# KiCad board Eclipse60.kicad_pcb (continued)
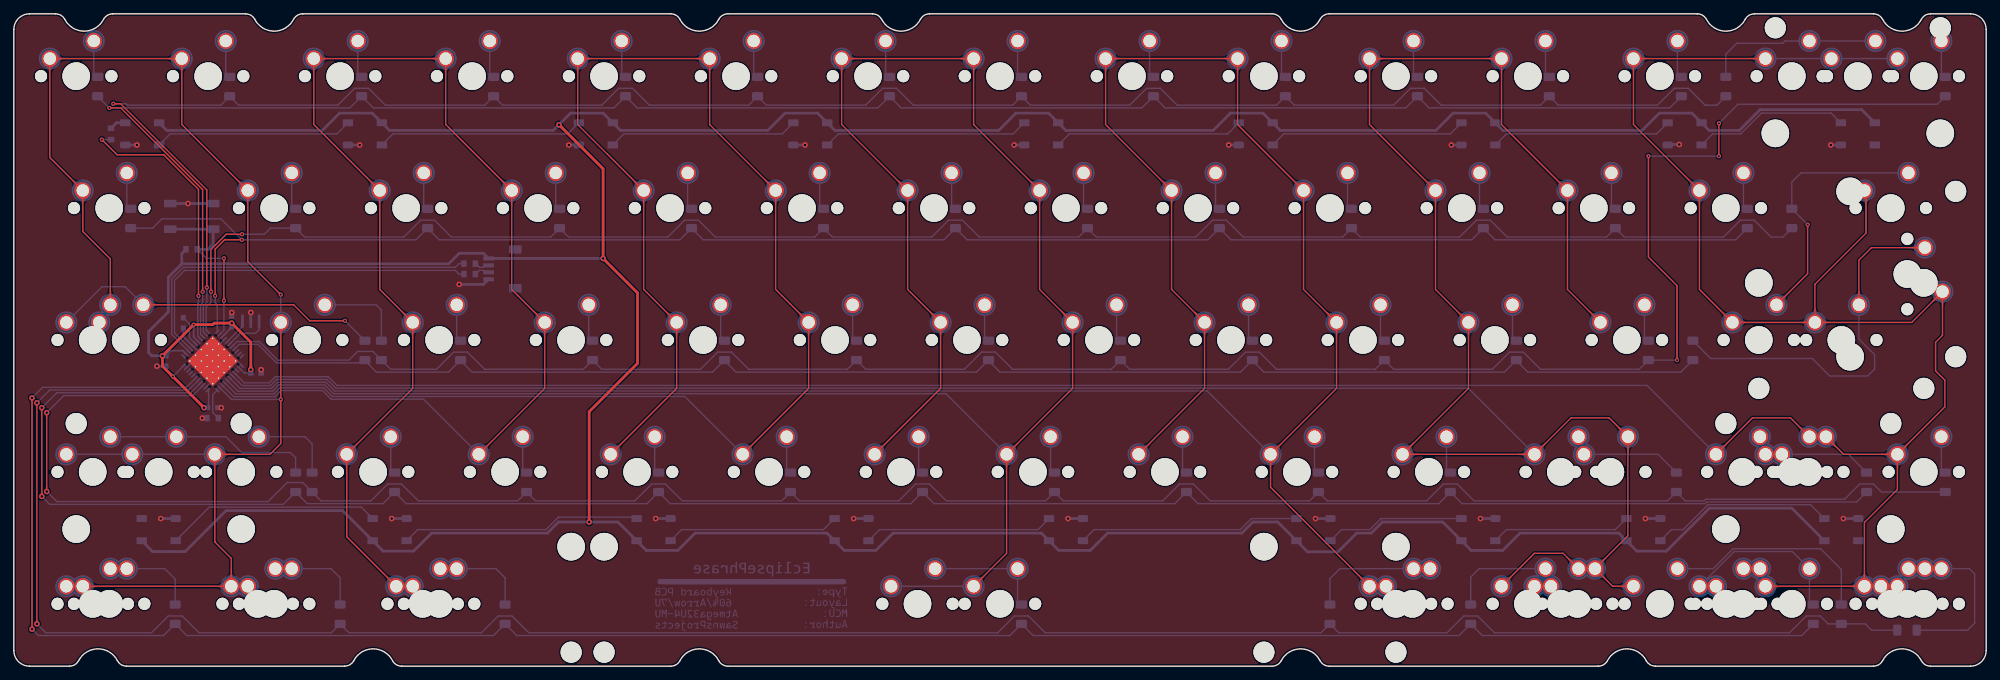
[diagram p0: board, top side]
## Copper pours and planes (outline as drawn; the poured copper is in the pictures) (continued)
C4 on Top: 157.69,85.35 157.69,85.45 157.7,85.55 157.71,85.64 157.72,85.72 157.73,85.8 157.75,85.87 157.77,85.94 157.8,86 157.82,86.06 157.85,86.11 157.88,86.17 157.92,86.22 157.95,86.27 157.99,86.32 158.37,86.74 158.41,86.8 158.46,86.86 158.5,86.92 158.54,86.99 158.59,87.06 158.63,87.14 158.67,87.22 157.59,88.34 156.51,87.22 156.55,87.14 156.59,87.06 156.64,86.99 156.68,86.92 156.72,86.86 156.77,86.8 156.81,86.74 157.19,86.32 157.23,86.27 157.26,86.22 157.3,86.17 157.33,86.11 157.36,86.06 157.38,86 157.41,85.94 157.43,85.87 157.45,85.8 157.46,85.72 157.47,85.64 157.48,85.55 157.49,85.45 157.49,85.35
C4 on Top: 165.35,70.31 165.43,70.24 165.49,70.16 165.54,70.1 165.59,70.03 165.64,69.96 165.68,69.9 165.71,69.84 165.74,69.77 165.76,69.71 165.78,69.65 165.8,69.59 165.81,69.53 165.82,69.47 165.83,69.42 165.86,68.85 165.87,68.77 165.88,68.7 165.89,68.63 165.91,68.55 165.93,68.47 165.95,68.38 165.98,68.3 167.54,68.27 167.51,69.82 167.42,69.85 167.34,69.88 167.26,69.9 167.18,69.91 167.1,69.93 167.03,69.94 166.96,69.94 166.39,69.98 166.33,69.99 166.27,70 166.21,70.01 166.15,70.03 166.09,70.04 166.03,70.07 165.97,70.1 165.91,70.13 165.84,70.17 165.78,70.21 165.71,70.26 165.64,70.32 165.57,70.38 165.5,70.45
C4 on Top: 176.74,85.35 176.74,85.45 176.75,85.55 176.76,85.64 176.77,85.72 176.78,85.8 176.8,85.87 176.82,85.94 176.85,86 176.87,86.06 176.9,86.11 176.93,86.17 176.97,86.22 177,86.27 177.04,86.32 177.42,86.74 177.46,86.8 177.51,86.86 177.55,86.92 177.59,86.99 177.64,87.06 177.68,87.14 177.72,87.22 176.64,88.34 175.56,87.22 175.6,87.14 175.64,87.06 175.69,86.99 175.73,86.92 175.77,86.86 175.82,86.8 175.86,86.74 176.24,86.32 176.28,86.27 176.31,86.22 176.35,86.17 176.38,86.11 176.41,86.06 176.43,86 176.46,85.94 176.48,85.87 176.5,85.8 176.51,85.72 176.52,85.64 176.53,85.55 176.54,85.45 176.54,85.35
C4 on Top: 184.4,70.31 184.48,70.24 184.54,70.16 184.59,70.1 184.64,70.03 184.69,69.96 184.73,69.9 184.76,69.84 184.79,69.77 184.81,69.71 184.83,69.65 184.85,69.59 184.86,69.53 184.87,69.47 184.88,69.42 184.91,68.85 184.92,68.77 184.93,68.7 184.94,68.63 184.96,68.55 184.98,68.47 185,68.38 185.03,68.3 186.59,68.27 186.56,69.82 186.47,69.85 186.39,69.88 186.31,69.9 186.23,69.91 186.15,69.93 186.08,69.94 186.01,69.94 185.44,69.98 185.38,69.99 185.32,70 185.26,70.01 185.2,70.03 185.14,70.04 185.08,70.07 185.02,70.1 184.96,70.13 184.89,70.17 184.83,70.21 184.76,70.26 184.69,70.32 184.62,70.38 184.55,70.45
C4 on Top: 186.27,66.3 186.27,66.4 186.27,66.5 186.28,66.59 186.29,66.67 186.31,66.75 186.33,66.82 186.35,66.89 186.37,66.95 186.4,67.01 186.43,67.06 186.46,67.12 186.49,67.17 186.53,67.22 186.56,67.27 186.94,67.69 186.99,67.75 187.03,67.81 187.07,67.87 187.12,67.94 187.16,68.01 187.2,68.09 187.25,68.17 186.17,69.29 185.09,68.17 185.13,68.09 185.17,68.01 185.21,67.94 185.26,67.87 185.3,67.81 185.34,67.75 185.39,67.69 185.77,67.27 185.8,67.22 185.84,67.17 185.87,67.12 185.9,67.06 185.93,67.01 185.96,66.95 185.98,66.89 186,66.82 186.02,66.75 186.04,66.67 186.05,66.59 186.06,66.5 186.06,66.4 186.07,66.3
C4 on Top: 189.17,51.26 189.24,51.19 189.3,51.11 189.36,51.05 189.41,50.98 189.45,50.91 189.49,50.85 189.52,50.79 189.55,50.72 189.57,50.66 189.59,50.6 189.61,50.54 189.62,50.48 189.63,50.42 189.64,50.37 189.67,49.8 189.68,49.72 189.69,49.65 189.71,49.58 189.72,49.5 189.74,49.42 189.77,49.33 189.79,49.25 191.35,49.22 191.32,50.77 191.23,50.8 191.15,50.83 191.07,50.85 190.99,50.86 190.92,50.88 190.84,50.89 190.77,50.89 190.2,50.93 190.14,50.94 190.08,50.95 190.02,50.96 189.96,50.98 189.9,50.99 189.84,51.02 189.78,51.05 189.72,51.08 189.65,51.12 189.59,51.16 189.52,51.21 189.45,51.27 189.38,51.33 189.31,51.4
C4 on Top: 159.98,87.84 159.88,87.84 159.78,87.85 159.69,87.86 159.61,87.87 159.53,87.88 159.46,87.9 159.39,87.92 159.33,87.95 159.27,87.97 159.22,88 159.16,88.03 159.11,88.07 159.06,88.1 159.01,88.14 158.59,88.52 158.53,88.56 158.47,88.61 158.41,88.65 158.34,88.69 158.27,88.74 158.19,88.78 158.11,88.82 156.99,87.74 158.11,86.66 158.19,86.7 158.27,86.74 158.34,86.79 158.41,86.83 158.47,86.87 158.53,86.92 158.59,86.96 159.01,87.34 159.06,87.38 159.11,87.41 159.16,87.45 159.22,87.48 159.27,87.51 159.33,87.53 159.39,87.56 159.46,87.58 159.53,87.6 159.61,87.61 159.69,87.62 159.78,87.63 159.88,87.64 159.98,87.64
C4 on Top: 174.25,87.64 174.35,87.64 174.45,87.63 174.54,87.62 174.62,87.61 174.7,87.6 174.77,87.58 174.84,87.56 174.9,87.53 174.96,87.51 175.01,87.48 175.07,87.45 175.12,87.41 175.17,87.38 175.22,87.34 175.64,86.96 175.7,86.92 175.76,86.87 175.82,86.83 175.89,86.79 175.96,86.74 176.04,86.7 176.12,86.66 177.24,87.74 176.12,88.82 176.04,88.78 175.96,88.74 175.89,88.69 175.82,88.65 175.76,88.61 175.7,88.56 175.64,88.52 175.22,88.14 175.17,88.1 175.12,88.07 175.07,88.03 175.01,88 174.96,87.97 174.9,87.95 174.84,87.92 174.77,87.9 174.7,87.88 174.62,87.87 174.54,87.86 174.45,87.85 174.35,87.84 174.25,87.84
C4 on Bottom: 179.64,32.21 179.71,32.14 179.78,32.06 179.83,32 179.88,31.93 179.93,31.86 179.96,31.8 180,31.74 180.02,31.67 180.05,31.61 180.07,31.55 180.08,31.49 180.1,31.43 180.11,31.37 180.11,31.32 180.15,30.75 180.16,30.67 180.17,30.6 180.18,30.53 180.2,30.45 180.22,30.37 180.24,30.28 180.27,30.2 181.83,30.17 181.8,31.72 181.71,31.75 181.63,31.78 181.54,31.8 181.47,31.81 181.39,31.83 181.32,31.84 181.25,31.84 180.68,31.88 180.62,31.89 180.56,31.9 180.5,31.91 180.44,31.93 180.38,31.94 180.32,31.97 180.26,32 180.19,32.03 180.13,32.07 180.06,32.11 180,32.16 179.93,32.22 179.86,32.28 179.78,32.35
C4 on Bottom: 179.08,32.77 179.17,32.68 179.26,32.58 179.33,32.49 179.4,32.4 179.46,32.31 179.51,32.22 179.55,32.14 179.58,32.06 179.61,31.97 179.64,31.89 179.66,31.81 179.68,31.73 179.69,31.65 179.7,31.57 179.7,31.49 179.71,31.41 179.72,30.99 179.73,30.9 179.73,30.8 179.74,30.71 179.76,30.61 179.77,30.51 179.79,30.4 179.82,30.3 179.85,30.18 179.89,30.06 181.97,30.02 181.93,32.1 181.81,32.14 181.7,32.17 181.59,32.2 181.48,32.22 181.38,32.24 181.28,32.25 181.19,32.26 181.1,32.27 181,32.27 180.58,32.28 180.5,32.29 180.42,32.3 180.34,32.3 180.26,32.32 180.18,32.33 180.1,32.35 180.02,32.38 179.94,32.41 179.85,32.44 179.77,32.49 179.68,32.54 179.59,32.6 179.5,32.66 179.41,32.74 179.32,32.82 179.22,32.92
C5 on Top: 231.24,34.75 231.31,34.68 231.37,34.6 231.43,34.54 231.48,34.47 231.52,34.4 231.56,34.34 231.59,34.28 231.62,34.21 231.64,34.15 231.66,34.09 231.68,34.03 231.69,33.97 231.7,33.91 231.71,33.86 231.74,33.29 231.75,33.21 231.76,33.14 231.77,33.07 231.79,32.99 231.81,32.91 231.83,32.82 231.86,32.74 233.42,32.71 233.39,34.26 233.3,34.29 233.22,34.32 233.14,34.34 233.06,34.35 232.98,34.37 232.91,34.38 232.84,34.38 232.27,34.42 232.21,34.43 232.15,34.44 232.09,34.45 232.03,34.47 231.97,34.48 231.91,34.51 231.85,34.54 231.79,34.57 231.72,34.61 231.66,34.65 231.59,34.7 231.52,34.76 231.45,34.82 231.38,34.89
C5 on Top: 221.12,32.35 221.05,32.28 220.98,32.22 220.91,32.16 220.84,32.11 220.78,32.07 220.71,32.03 220.65,32 220.59,31.97 220.53,31.94 220.47,31.93 220.41,31.91 220.35,31.9 220.29,31.89 220.23,31.88 219.66,31.84 219.59,31.84 219.51,31.83 219.44,31.81 219.36,31.8 219.28,31.78 219.2,31.75 219.11,31.72 219.08,30.17 220.64,30.2 220.66,30.28 220.69,30.37 220.71,30.45 220.72,30.53 220.74,30.6 220.75,30.67 220.76,30.75 220.79,31.32 220.8,31.37 220.81,31.43 220.82,31.49 220.84,31.55 220.86,31.61 220.88,31.67 220.91,31.74 220.94,31.8 220.98,31.86 221.02,31.93 221.07,32 221.13,32.06 221.19,32.14 221.26,32.21
C5 on Top: 202.84,30.69 202.74,30.69 202.65,30.7 202.56,30.71 202.47,30.72 202.4,30.73 202.32,30.75 202.26,30.77 202.19,30.8 202.13,30.82 202.08,30.85 202.02,30.88 201.97,30.92 201.92,30.95 201.88,30.99 201.45,31.37 201.39,31.41 201.33,31.46 201.27,31.5 201.2,31.54 201.13,31.59 201.06,31.63 200.98,31.67 199.85,30.59 200.98,29.51 201.06,29.55 201.13,29.59 201.2,29.64 201.27,29.68 201.33,29.72 201.39,29.77 201.45,29.81 201.88,30.19 201.92,30.23 201.97,30.26 202.02,30.3 202.08,30.33 202.13,30.36 202.19,30.38 202.26,30.41 202.32,30.43 202.4,30.45 202.47,30.46 202.56,30.47 202.65,30.48 202.74,30.49 202.84,30.49
C5 on Top: 217.11,30.49 217.21,30.49 217.31,30.48 217.4,30.47 217.48,30.46 217.56,30.45 217.63,30.43 217.7,30.41 217.76,30.38 217.82,30.36 217.88,30.33 217.93,30.3 217.98,30.26 218.03,30.23 218.08,30.19 218.51,29.81 218.56,29.77 218.62,29.72 218.68,29.68 218.75,29.64 218.82,29.59 218.9,29.55 218.98,29.51 220.1,30.59 218.98,31.67 218.9,31.63 218.82,31.59 218.75,31.54 218.68,31.5 218.62,31.46 218.56,31.41 218.51,31.37 218.08,30.99 218.03,30.95 217.98,30.92 217.93,30.88 217.88,30.85 217.82,30.82 217.76,30.8 217.7,30.77 217.63,30.75 217.56,30.73 217.48,30.72 217.4,30.71 217.31,30.7 217.21,30.69 217.11,30.69
C5 on Top: 231.4,11.44 231.5,11.44 231.6,11.43 231.69,11.42 231.77,11.41 231.85,11.4 231.92,11.38 231.99,11.36 232.05,11.33 232.11,11.31 232.16,11.28 232.22,11.25 232.27,11.21 232.32,11.18 232.37,11.14 232.79,10.76 232.85,10.72 232.91,10.67 232.97,10.63 233.04,10.59 233.11,10.54 233.19,10.5 233.27,10.46 234.39,11.54 233.27,12.62 233.19,12.58 233.11,12.54 233.04,12.49 232.97,12.45 232.91,12.41 232.85,12.36 232.79,12.32 232.37,11.94 232.32,11.9 232.27,11.87 232.22,11.83 232.16,11.8 232.11,11.77 232.05,11.75 231.99,11.72 231.92,11.7 231.85,11.68 231.77,11.67 231.69,11.66 231.6,11.65 231.5,11.64 231.4,11.64
C5 on Top: 229.99,12.46 229.92,12.53 229.86,12.61 229.8,12.67 229.75,12.74 229.71,12.81 229.67,12.87 229.64,12.93 229.61,13 229.59,13.06 229.57,13.12 229.55,13.18 229.54,13.24 229.53,13.3 229.52,13.35 229.49,13.92 229.48,14 229.47,14.07 229.46,14.14 229.44,14.22 229.42,14.3 229.4,14.39 229.37,14.47 227.81,14.5 227.84,12.95 227.93,12.92 228.01,12.89 228.09,12.87 228.17,12.86 228.25,12.84 228.32,12.83 228.39,12.83 228.96,12.79 229.02,12.78 229.08,12.77 229.14,12.76 229.2,12.74 229.26,12.73 229.32,12.7 229.38,12.67 229.44,12.64 229.51,12.6 229.57,12.56 229.64,12.51 229.71,12.45 229.78,12.39 229.85,12.32
C5 on Top: 233.1,30.74 233.1,30.84 233.1,30.94 233.11,31.03 233.12,31.11 233.14,31.19 233.16,31.26 233.18,31.33 233.2,31.39 233.23,31.45 233.26,31.5 233.29,31.56 233.32,31.61 233.36,31.66 233.39,31.71 233.77,32.13 233.82,32.19 233.86,32.25 233.91,32.31 233.95,32.38 233.99,32.45 234.03,32.53 234.08,32.61 233,33.73 231.92,32.61 231.96,32.53 232,32.45 232.04,32.38 232.09,32.31 232.13,32.25 232.18,32.19 232.22,32.13 232.6,31.71 232.63,31.66 232.67,31.61 232.7,31.56 232.73,31.5 232.76,31.45 232.79,31.39 232.81,31.33 232.83,31.26 232.85,31.19 232.87,31.11 232.88,31.03 232.89,30.94 232.89,30.84 232.9,30.74
C5 on Top: 229.85,15.84 229.78,15.77 229.71,15.71 229.64,15.65 229.57,15.6 229.51,15.56 229.44,15.52 229.38,15.49 229.32,15.46 229.26,15.43 229.2,15.42 229.14,15.4 229.08,15.39 229.02,15.38 228.96,15.37 228.39,15.33 228.32,15.33 228.25,15.32 228.17,15.3 228.09,15.29 228.01,15.27 227.93,15.24 227.84,15.21 227.81,13.66 229.37,13.69 229.4,13.77 229.42,13.86 229.44,13.94 229.46,14.02 229.47,14.09 229.48,14.16 229.49,14.24 229.52,14.81 229.53,14.86 229.54,14.92 229.55,14.98 229.57,15.04 229.59,15.1 229.61,15.16 229.64,15.23 229.67,15.29 229.71,15.35 229.75,15.42 229.8,15.49 229.86,15.55 229.92,15.63 229.99,15.7
C5 on Top: 224.09,15.7 224.16,15.63 224.23,15.55 224.28,15.49 224.33,15.42 224.38,15.35 224.41,15.29 224.45,15.23 224.47,15.16 224.5,15.1 224.52,15.04 224.53,14.98 224.55,14.92 224.56,14.86 224.56,14.81 224.6,14.24 224.61,14.16 224.62,14.09 224.63,14.02 224.65,13.94 224.67,13.86 224.69,13.77 224.72,13.69 226.28,13.66 226.25,15.21 226.16,15.24 226.08,15.27 225.99,15.29 225.92,15.3 225.84,15.32 225.77,15.33 225.7,15.33 225.13,15.37 225.07,15.38 225.01,15.39 224.95,15.4 224.89,15.42 224.83,15.43 224.77,15.46 224.71,15.49 224.64,15.52 224.58,15.56 224.51,15.6 224.45,15.65 224.38,15.71 224.31,15.77 224.23,15.84
C5 on Top: 216.36,13.3 216.29,13.23 216.21,13.17 216.15,13.11 216.08,13.06 216.01,13.02 215.95,12.98 215.89,12.95 215.82,12.92 215.76,12.89 215.7,12.88 215.64,12.86 215.58,12.85 215.52,12.84 215.47,12.83 214.9,12.79 214.82,12.79 214.75,12.78 214.68,12.76 214.6,12.75 214.52,12.73 214.43,12.7 214.35,12.67 214.32,11.12 215.87,11.15 215.9,11.23 215.93,11.32 215.95,11.4 215.96,11.48 215.98,11.55 215.99,11.62 215.99,11.7 216.03,12.27 216.04,12.32 216.05,12.38 216.06,12.44 216.08,12.5 216.09,12.56 216.12,12.62 216.15,12.69 216.18,12.75 216.22,12.81 216.26,12.88 216.31,12.95 216.37,13.01 216.43,13.09 216.5,13.16
C5 on Top: 195.79,85.35 195.79,85.45 195.8,85.55 195.81,85.64 195.82,85.72 195.83,85.8 195.85,85.87 195.87,85.94 195.9,86 195.92,86.06 195.95,86.11 195.98,86.17 196.02,86.22 196.05,86.27 196.09,86.32 196.47,86.74 196.51,86.8 196.56,86.86 196.6,86.92 196.64,86.99 196.69,87.06 196.73,87.14 196.77,87.22 195.69,88.34 194.61,87.22 194.65,87.14 194.69,87.06 194.74,86.99 194.78,86.92 194.82,86.86 194.87,86.8 194.91,86.74 195.29,86.32 195.33,86.27 195.36,86.22 195.4,86.17 195.43,86.11 195.46,86.06 195.48,86 195.51,85.94 195.53,85.87 195.55,85.8 195.56,85.72 195.57,85.64 195.58,85.55 195.59,85.45 195.59,85.35
C5 on Top: 203.45,70.31 203.53,70.24 203.59,70.16 203.64,70.1 203.69,70.03 203.74,69.96 203.78,69.9 203.81,69.84 203.84,69.77 203.86,69.71 203.88,69.65 203.9,69.59 203.91,69.53 203.92,69.47 203.93,69.42 203.96,68.85 203.97,68.77 203.98,68.7 203.99,68.63 204.01,68.55 204.03,68.47 204.05,68.38 204.08,68.3 205.64,68.27 205.61,69.82 205.52,69.85 205.44,69.88 205.36,69.9 205.28,69.91 205.2,69.93 205.13,69.94 205.06,69.94 204.49,69.98 204.43,69.99 204.37,70 204.31,70.01 204.25,70.03 204.19,70.04 204.13,70.07 204.07,70.1 204.01,70.13 203.94,70.17 203.88,70.21 203.81,70.26 203.74,70.32 203.67,70.38 203.6,70.45
C5 on Top: 205.32,66.3 205.32,66.4 205.32,66.5 205.33,66.59 205.34,66.67 205.36,66.75 205.38,66.82 205.4,66.89 205.42,66.95 205.45,67.01 205.48,67.06 205.51,67.12 205.54,67.17 205.58,67.22 205.61,67.27 205.99,67.69 206.04,67.75 206.08,67.81 206.12,67.87 206.17,67.94 206.21,68.01 206.25,68.09 206.3,68.17 205.22,69.29 204.14,68.17 204.18,68.09 204.22,68.01 204.26,67.94 204.31,67.87 204.35,67.81 204.39,67.75 204.44,67.69 204.82,67.27 204.85,67.22 204.89,67.17 204.92,67.12 204.95,67.06 204.98,67.01 205.01,66.95 205.03,66.89 205.05,66.82 205.07,66.75 205.09,66.67 205.1,66.59 205.11,66.5 205.11,66.4 205.12,66.3
C5 on Top: 208.22,51.26 208.29,51.19 208.35,51.11 208.41,51.05 208.46,50.98 208.5,50.91 208.54,50.85 208.57,50.79 208.6,50.72 208.62,50.66 208.64,50.6 208.66,50.54 208.67,50.48 208.68,50.42 208.69,50.37 208.72,49.8 208.73,49.72 208.74,49.65 208.76,49.58 208.77,49.5 208.79,49.42 208.82,49.33 208.84,49.25 210.4,49.22 210.37,50.77 210.28,50.8 210.2,50.83 210.12,50.85 210.04,50.86 209.97,50.88 209.89,50.89 209.82,50.89 209.25,50.93 209.19,50.94 209.13,50.95 209.07,50.96 209.01,50.98 208.95,50.99 208.89,51.02 208.83,51.05 208.77,51.08 208.7,51.12 208.64,51.16 208.57,51.21 208.5,51.27 208.43,51.33 208.36,51.4
C5 on Top: 210.08,47.25 210.08,47.35 210.08,47.45 210.09,47.54 210.11,47.62 210.12,47.7 210.14,47.77 210.16,47.84 210.19,47.9 210.21,47.96 210.24,48.01 210.27,48.07 210.3,48.12 210.34,48.17 210.38,48.22 210.75,48.64 210.8,48.7 210.84,48.76 210.89,48.82 210.93,48.89 210.97,48.96 211.02,49.04 211.06,49.12 209.98,50.24 208.9,49.12 208.94,49.04 208.98,48.96 209.02,48.89 209.07,48.82 209.11,48.76 209.16,48.7 209.2,48.64 209.58,48.22 209.62,48.17 209.65,48.12 209.68,48.07 209.71,48.01 209.74,47.96 209.77,47.9 209.79,47.84 209.81,47.77 209.83,47.7 209.85,47.62 209.86,47.54 209.87,47.45 209.88,47.35 209.88,47.25
C5 on Top: 202.07,32.35 202,32.28 201.93,32.22 201.86,32.16 201.79,32.11 201.73,32.07 201.66,32.03 201.6,32 201.54,31.97 201.48,31.94 201.42,31.93 201.36,31.91 201.3,31.9 201.24,31.89 201.18,31.88 200.61,31.84 200.54,31.84 200.46,31.83 200.39,31.81 200.31,31.8 200.23,31.78 200.15,31.75 200.06,31.72 200.03,30.17 201.59,30.2 201.61,30.28 201.64,30.37 201.66,30.45 201.67,30.53 201.69,30.6 201.7,30.67 201.71,30.75 201.74,31.32 201.75,31.37 201.76,31.43 201.77,31.49 201.79,31.55 201.81,31.61 201.83,31.67 201.86,31.74 201.89,31.8 201.93,31.86 201.97,31.93 202.02,32 202.08,32.06 202.14,32.14 202.21,32.21
C5 on Top: 214.84,85.35 214.84,85.45 214.85,85.55 214.86,85.64 214.87,85.72 214.88,85.8 214.9,85.87 214.92,85.94 214.95,86 214.97,86.06 215,86.11 215.03,86.17 215.07,86.22 215.1,86.27 215.14,86.32 215.52,86.74 215.56,86.8 215.61,86.86 215.65,86.92 215.69,86.99 215.74,87.06 215.78,87.14 215.82,87.22 214.74,88.34 213.66,87.22 213.7,87.14 213.74,87.06 213.79,86.99 213.83,86.92 213.87,86.86 213.92,86.8 213.96,86.74 214.34,86.32 214.38,86.27 214.41,86.22 214.45,86.17 214.48,86.11 214.51,86.06 214.53,86 214.56,85.94 214.58,85.87 214.6,85.8 214.61,85.72 214.62,85.64 214.63,85.55 214.64,85.45 214.64,85.35
C5 on Top: 222.5,70.31 222.58,70.24 222.64,70.16 222.69,70.1 222.74,70.03 222.79,69.96 222.83,69.9 222.86,69.84 222.89,69.77 222.91,69.71 222.93,69.65 222.95,69.59 222.96,69.53 222.97,69.47 222.98,69.42 223.01,68.85 223.02,68.77 223.03,68.7 223.04,68.63 223.06,68.55 223.08,68.47 223.1,68.38 223.13,68.3 224.69,68.27 224.66,69.82 224.57,69.85 224.49,69.88 224.41,69.9 224.33,69.91 224.25,69.93 224.18,69.94 224.11,69.94 223.54,69.98 223.48,69.99 223.42,70 223.36,70.01 223.3,70.03 223.24,70.04 223.18,70.07 223.12,70.1 223.06,70.13 222.99,70.17 222.93,70.21 222.86,70.26 222.79,70.32 222.72,70.38 222.65,70.45
C5 on Top: 224.37,66.3 224.37,66.4 224.37,66.5 224.38,66.59 224.39,66.67 224.41,66.75 224.43,66.82 224.45,66.89 224.47,66.95 224.5,67.01 224.53,67.06 224.56,67.12 224.59,67.17 224.63,67.22 224.66,67.27 225.04,67.69 225.09,67.75 225.13,67.81 225.17,67.87 225.22,67.94 225.26,68.01 225.3,68.09 225.35,68.17 224.27,69.29 223.19,68.17 223.23,68.09 223.27,68.01 223.31,67.94 223.36,67.87 223.4,67.81 223.44,67.75 223.49,67.69 223.87,67.27 223.9,67.22 223.94,67.17 223.97,67.12 224,67.06 224.03,67.01 224.06,66.95 224.08,66.89 224.1,66.82 224.12,66.75 224.14,66.67 224.15,66.59 224.16,66.5 224.16,66.4 224.17,66.3
C5 on Top: 227.27,51.26 227.34,51.19 227.4,51.11 227.46,51.05 227.51,50.98 227.55,50.91 227.59,50.85 227.62,50.79 227.65,50.72 227.67,50.66 227.69,50.6 227.71,50.54 227.72,50.48 227.73,50.42 227.74,50.37 227.77,49.8 227.78,49.72 227.79,49.65 227.81,49.58 227.82,49.5 227.84,49.42 227.87,49.33 227.89,49.25 229.45,49.22 229.42,50.77 229.33,50.8 229.25,50.83 229.17,50.85 229.09,50.86 229.02,50.88 228.94,50.89 228.87,50.89 228.3,50.93 228.24,50.94 228.18,50.95 228.12,50.96 228.06,50.98 228,50.99 227.94,51.02 227.88,51.05 227.82,51.08 227.75,51.12 227.69,51.16 227.62,51.21 227.55,51.27 227.48,51.33 227.41,51.4
C5 on Top: 198.08,87.84 197.98,87.84 197.88,87.85 197.79,87.86 197.71,87.87 197.63,87.88 197.56,87.9 197.49,87.92 197.43,87.95 197.37,87.97 197.32,88 197.26,88.03 197.21,88.07 197.16,88.1 197.11,88.14 196.69,88.52 196.63,88.56 196.57,88.61 196.51,88.65 196.44,88.69 196.37,88.74 196.29,88.78 196.21,88.82 195.09,87.74 196.21,86.66 196.29,86.7 196.37,86.74 196.44,86.79 196.51,86.83 196.57,86.87 196.63,86.92 196.69,86.96 197.11,87.34 197.16,87.38 197.21,87.41 197.26,87.45 197.32,87.48 197.37,87.51 197.43,87.53 197.49,87.56 197.56,87.58 197.63,87.6 197.71,87.61 197.79,87.62 197.88,87.63 197.98,87.64 198.08,87.64
C5 on Top: 212.35,87.64 212.45,87.64 212.55,87.63 212.64,87.62 212.72,87.61 212.8,87.6 212.87,87.58 212.94,87.56 213,87.53 213.06,87.51 213.11,87.48 213.17,87.45 213.22,87.41 213.27,87.38 213.32,87.34 213.74,86.96 213.8,86.92 213.86,86.87 213.92,86.83 213.99,86.79 214.06,86.74 214.14,86.7 214.22,86.66 215.34,87.74 214.22,88.82 214.14,88.78 214.06,88.74 213.99,88.69 213.92,88.65 213.86,88.61 213.8,88.56 213.74,88.52 213.32,88.14 213.27,88.1 213.22,88.07 213.17,88.03 213.11,88 213.06,87.97 213,87.95 212.94,87.92 212.87,87.9 212.8,87.88 212.72,87.87 212.64,87.86 212.55,87.85 212.45,87.84 212.35,87.84
C5 on Bottom: 217.74,32.21 217.81,32.14 217.88,32.06 217.93,32 217.98,31.93 218.03,31.86 218.06,31.8 218.1,31.74 218.12,31.67 218.15,31.61 218.17,31.55 218.18,31.49 218.2,31.43 218.21,31.37 218.21,31.32 218.25,30.75 218.26,30.67 218.27,30.6 218.28,30.53 218.3,30.45 218.32,30.37 218.34,30.28 218.37,30.2 219.93,30.17 219.9,31.72 219.81,31.75 219.73,31.78 219.64,31.8 219.57,31.81 219.49,31.83 219.42,31.84 219.35,31.84 218.78,31.88 218.72,31.89 218.66,31.9 218.6,31.91 218.54,31.93 218.48,31.94 218.42,31.97 218.36,32 218.29,32.03 218.23,32.07 218.16,32.11 218.1,32.16 218.03,32.22 217.96,32.28 217.88,32.35
C5 on Bottom: 217.18,32.77 217.27,32.68 217.36,32.58 217.43,32.49 217.5,32.4 217.56,32.31 217.61,32.22 217.65,32.14 217.68,32.06 217.71,31.97 217.74,31.89 217.76,31.81 217.78,31.73 217.79,31.65 217.8,31.57 217.8,31.49 217.81,31.41 217.82,30.99 217.83,30.9 217.83,30.8 217.84,30.71 217.86,30.61 217.87,30.51 217.89,30.4 217.92,30.3 217.95,30.18 217.99,30.06 220.07,30.02 220.03,32.1 219.91,32.14 219.8,32.17 219.69,32.2 219.58,32.22 219.48,32.24 219.38,32.25 219.29,32.26 219.2,32.27 219.1,32.27 218.68,32.28 218.6,32.29 218.52,32.3 218.44,32.3 218.36,32.32 218.28,32.33 218.2,32.35 218.12,32.38 218.04,32.41 217.95,32.44 217.87,32.49 217.78,32.54 217.69,32.6 217.6,32.66 217.51,32.74 217.42,32.82 217.32,32.92
C6 on Top: 267.46,66.31 267.46,66.42 267.47,66.52 267.47,66.61 267.49,66.7 267.5,66.78 267.52,66.86 267.54,66.93 267.56,67 267.59,67.07 267.62,67.13 267.65,67.19 267.68,67.25 267.71,67.3 268,67.72 268.03,67.78 268.07,67.84 268.1,67.91 268.14,67.97 268.17,68.05 268.2,68.12 268.23,68.2 268.26,68.29 268.29,68.38 267.01,69.28 266.17,67.97 266.22,67.9 266.27,67.84 266.33,67.78 266.38,67.72 266.43,67.67 266.48,67.62 266.91,67.25 266.95,67.21 266.99,67.16 267.03,67.12 267.06,67.07 267.09,67.02 267.12,66.97 267.15,66.92 267.17,66.86 267.2,66.8 267.21,66.73 267.23,66.66 267.24,66.58 267.25,66.5 267.26,66.41 267.26,66.31
C6 on Top: 259.88,52.03 259.88,51.93 259.88,51.83 259.87,51.74 259.86,51.66 259.84,51.58 259.82,51.51 259.8,51.44 259.78,51.38 259.75,51.32 259.72,51.27 259.69,51.21 259.66,51.16 259.62,51.11 259.59,51.06 259.21,50.64 259.16,50.58 259.12,50.52 259.07,50.46 259.03,50.39 258.99,50.32 258.95,50.24 258.9,50.16 259.98,49.04 261.06,50.16 261.02,50.24 260.98,50.32 260.94,50.39 260.89,50.46 260.85,50.52 260.8,50.58 260.76,50.64 260.38,51.06 260.35,51.11 260.31,51.16 260.28,51.21 260.25,51.27 260.22,51.32 260.19,51.38 260.17,51.44 260.15,51.51 260.13,51.58 260.11,51.66 260.1,51.74 260.09,51.83 260.09,51.93 260.08,52.03
C6 on Top: 269.5,30.49 269.6,30.49 269.7,30.48 269.79,30.47 269.87,30.46 269.95,30.45 270.02,30.43 270.09,30.41 270.15,30.38 270.21,30.36 270.26,30.33 270.32,30.3 270.37,30.26 270.42,30.23 270.47,30.19 270.89,29.81 270.95,29.77 271.01,29.72 271.07,29.68 271.14,29.64 271.21,29.59 271.29,29.55 271.37,29.51 272.49,30.59 271.37,31.67 271.29,31.63 271.21,31.59 271.14,31.54 271.07,31.5 271.01,31.46 270.95,31.41 270.89,31.37 270.47,30.99 270.42,30.95 270.37,30.92 270.32,30.88 270.26,30.85 270.21,30.82 270.15,30.8 270.09,30.77 270.02,30.75 269.95,30.73 269.87,30.72 269.79,30.71 269.7,30.7 269.6,30.69 269.5,30.69
C6 on Top: 263.33,31.51 263.26,31.58 263.2,31.66 263.14,31.72 263.09,31.79 263.05,31.86 263.01,31.92 262.98,31.98 262.95,32.05 262.93,32.11 262.91,32.17 262.89,32.23 262.88,32.29 262.87,32.35 262.86,32.4 262.82,32.97 262.82,33.05 262.81,33.12 262.79,33.19 262.78,33.27 262.76,33.35 262.73,33.44 262.7,33.52 261.15,33.55 261.18,32 261.26,31.97 261.35,31.94 261.43,31.92 261.51,31.91 261.58,31.89 261.66,31.88 261.73,31.88 262.3,31.84 262.36,31.83 262.42,31.82 262.47,31.81 262.53,31.79 262.59,31.78 262.66,31.75 262.72,31.72 262.78,31.69 262.84,31.65 262.91,31.61 262.98,31.56 263.05,31.5 263.12,31.44 263.19,31.37